# KiCad board C68.kicad_pcb (continued)
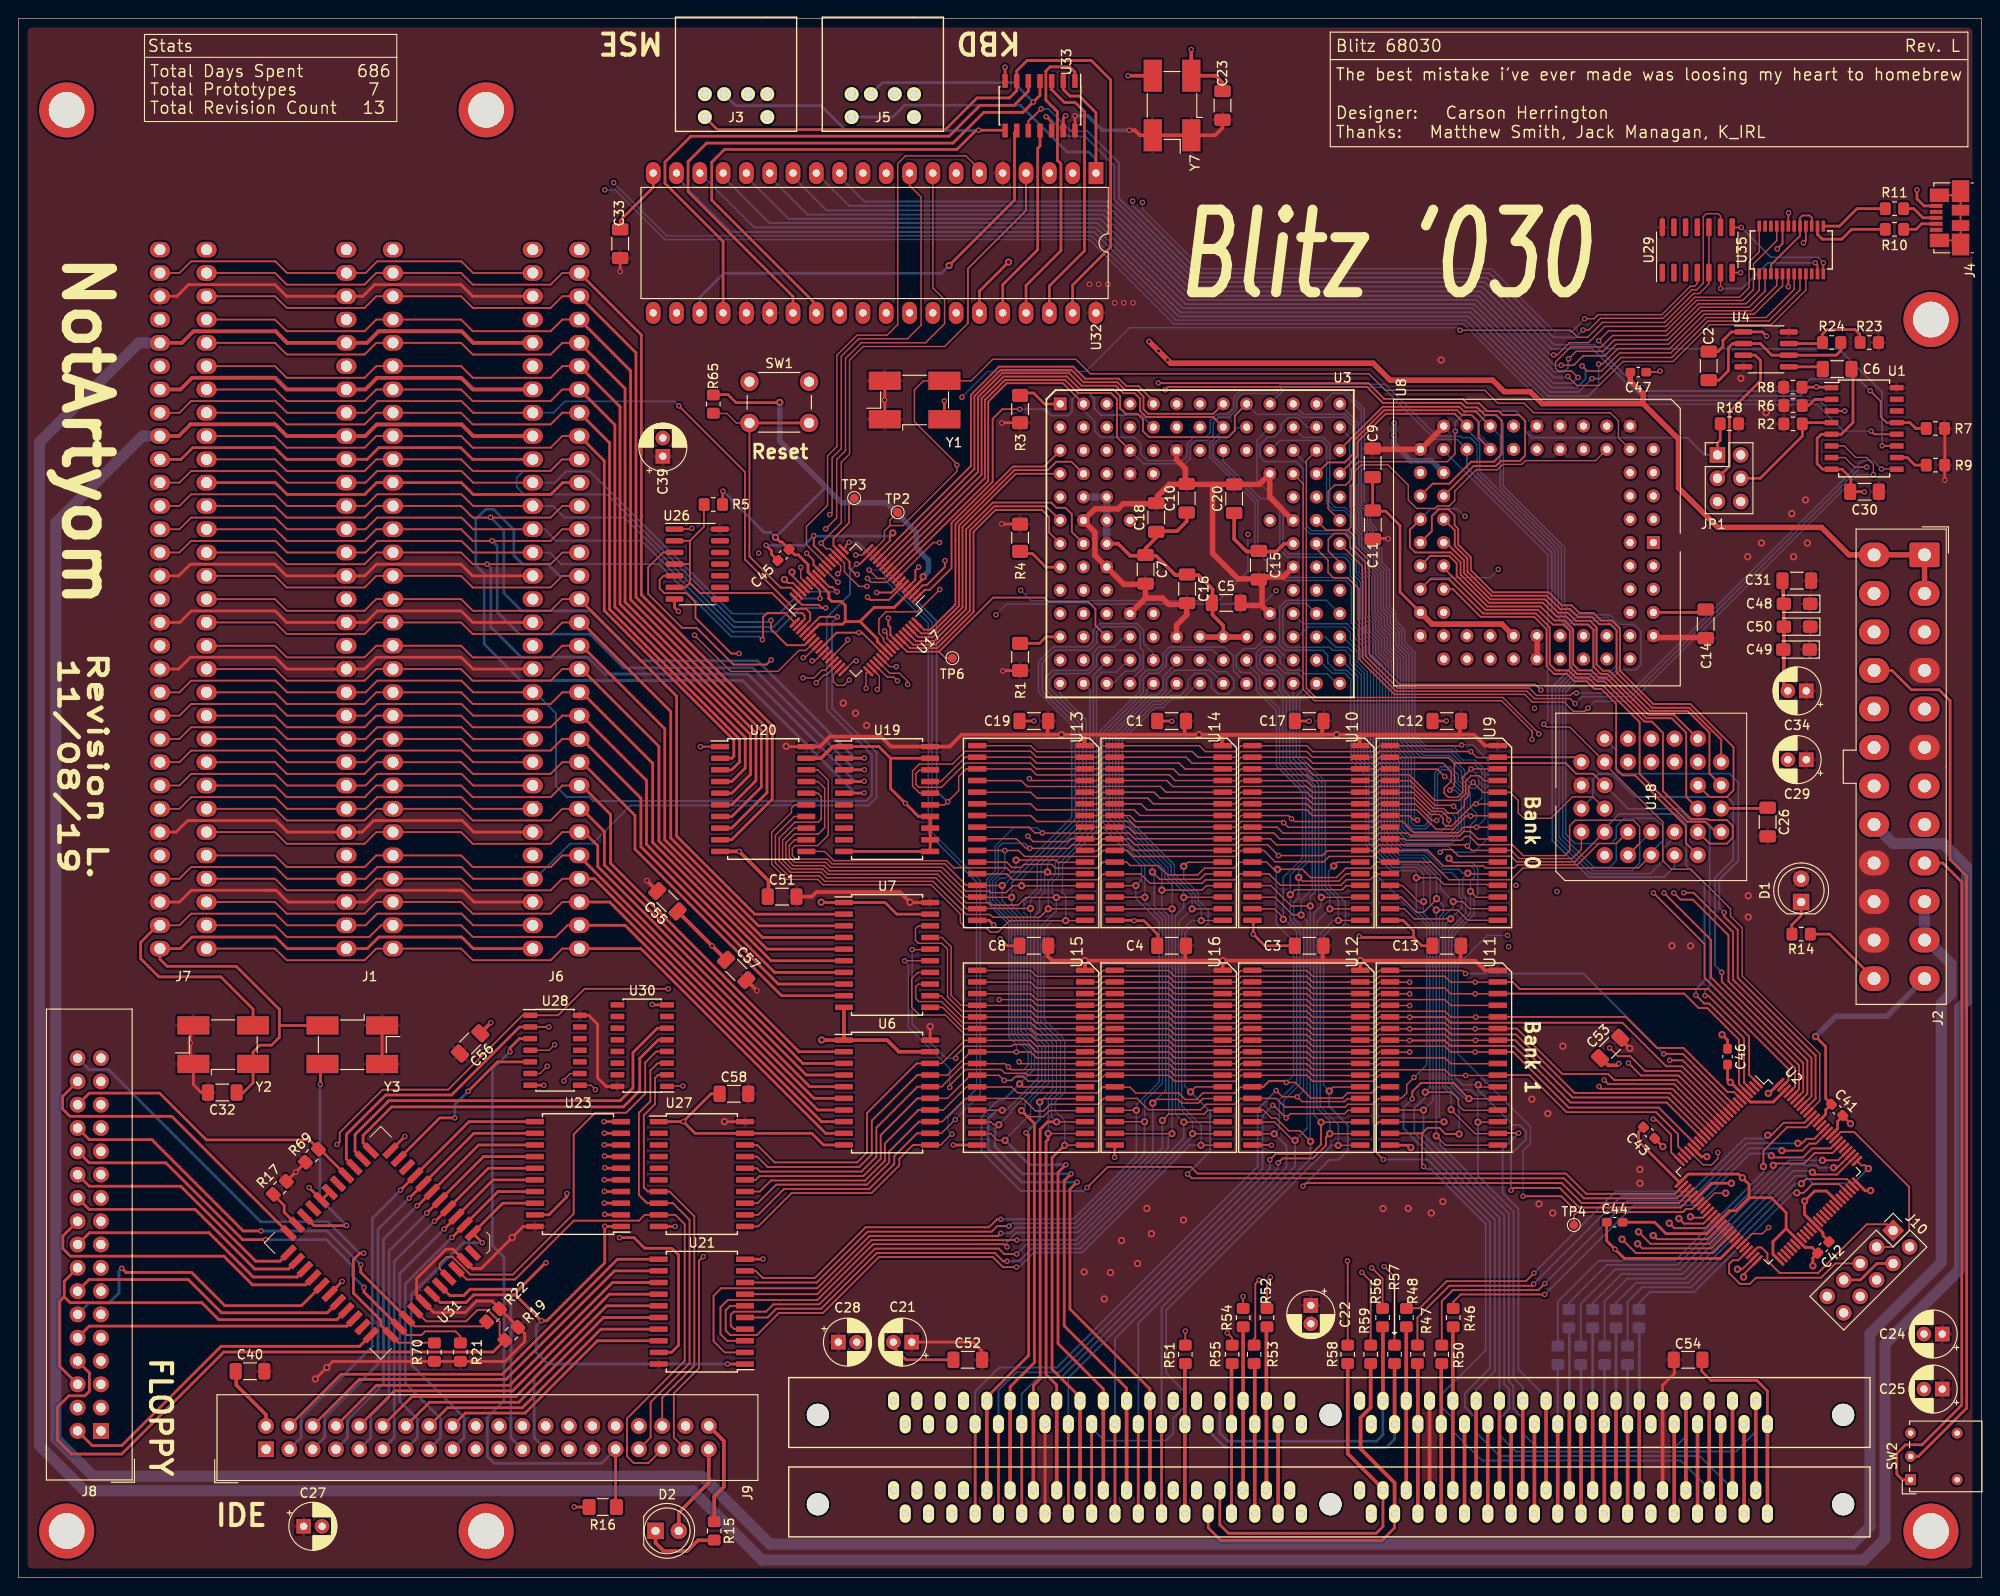
[diagram p0: board, top side]
## Footprints (pads in the part's own frame, mm; a bottom-side part is the same pattern mirrored in y, then rotated) (continued)
PS2
  round 1.524 hole 0.9: 1(-1.3,0) 2(1.3,0) 3(-3.4,0) 4(3.4,0) 5(-3.4,-2.5) 6(3.4,-2.5)
R_0805_2012Metric_Pad1.20x1.40mm_HandSolder
  rrect 1.2x1.4 smd: 1(-1,0) 2(1,0)
R_1206_3216Metric_Pad1.42x1.75mm_HandSolder
  rrect 1.425x1.75 smd: 1(-1.488,0) 2(1.488,0)
SIMM_72
  round 2.41 hole 2.41 unplated: (-55.753,0) (0.127,0) (56.007,0)
  oval 1.2x2 hole 0.762: 1(47.752,-1.016) 2(46.482,1.524) 3(45.212,-1.016) 4(43.942,1.524) 5(42.672,-1.016) 6(41.402,1.524) 7(40.132,-1.016) 8(38.862,1.524) 9(37.592,-1.016) 10(36.322,1.524) 11(35.052,-1.016) 12(33.782,1.524) 13(32.512,-1.016) 14(31.242,1.524) 15(29.972,-1.016) 16(28.702,1.524) 17(27.432,-1.016) 18(26.162,1.524) 19(24.892,-1.016) 20(23.622,1.524) 21(22.352,-1.016) 22(21.082,1.524) 23(19.812,-1.016) 24(18.542,1.524) 25(17.272,-1.016) 26(16.002,1.524) 27(14.732,-1.016) 28(13.462,1.524) 29(12.192,-1.016) 30(10.922,1.524) 31(9.652,-1.016) 32(8.382,1.524) 33(7.112,-1.016) 34(5.842,1.524) 35(4.572,-1.016) 36(3.302,1.524) 37(-3.048,-1.016) 38(-4.318,1.524) 39(-5.588,-1.016) 40(-6.858,1.524) 41(-8.128,-1.016) 42(-9.398,1.524) 43(-10.668,-1.016) 44(-11.938,1.524) 45(-13.208,-1.016) 46(-14.478,1.524) 47(-15.748,-1.016) 48(-17.018,1.524) 49(-18.288,-1.016) 50(-19.558,1.524) 51(-20.828,-1.016) 52(-22.098,1.524) 53(-23.368,-1.016) 54(-24.638,1.524) 55(-25.908,-1.016) 56(-27.178,1.524) 57(-28.448,-1.016) 58(-29.718,1.524) 59(-30.988,-1.016) 60(-32.258,1.524) 61(-33.528,-1.016) 62(-34.798,1.524) 63(-36.068,-1.016) 64(-37.338,1.524) 65(-38.608,-1.016) 66(-39.878,1.524) 67(-41.148,-1.016) 68(-42.418,1.524) 69(-43.688,-1.016) 70(-44.958,1.524) 71(-46.228,-1.016) 72(-47.498,1.524)
SOIC-8_3.9x4.9mm_P1.27mm
  rrect 1.95x0.6 smd: 1(-2.475,1.905) 2(-2.475,0.635) 3(-2.475,-0.635) 4(-2.475,-1.905) 5(2.475,-1.905) 6(2.475,-0.635) 7(2.475,0.635) 8(2.475,1.905)
SOIC-14_3.9x8.7mm_P1.27mm
  rect 1.5x0.6 smd: 1(-2.7,3.81) 2(-2.7,2.54) 3(-2.7,1.27) 4(-2.7,0) 5(-2.7,-1.27) 6(-2.7,-2.54) 7(-2.7,-3.81) 8(2.7,-3.81) 9(2.7,-2.54) 10(2.7,-1.27) 11(2.7,0) 12(2.7,1.27) 13(2.7,2.54) 14(2.7,3.81)
SOIC-14_3.9x8.7mm_P1.27mm#2
  rrect 1.95x0.6 smd: 1(-2.475,3.81) 2(-2.475,2.54) 3(-2.475,1.27) 4(-2.475,0) 5(-2.475,-1.27) 6(-2.475,-2.54) 7(-2.475,-3.81) 8(2.475,-3.81) 9(2.475,-2.54) 10(2.475,-1.27) 11(2.475,0) 12(2.475,1.27) 13(2.475,2.54) 14(2.475,3.81)
SOIC-16_3.9x9.9mm_P1.27mm
  rect 1.5x0.6 smd: 1(-2.7,4.445) 2(-2.7,3.175) 3(-2.7,1.905) 4(-2.7,0.635) 5(-2.7,-0.635) 6(-2.7,-1.905) 7(-2.7,-3.175) 8(-2.7,-4.445) 9(2.7,-4.445) 10(2.7,-3.175) 11(2.7,-1.905) 12(2.7,-0.635) 13(2.7,0.635) 14(2.7,1.905) 15(2.7,3.175) 16(2.7,4.445)
SOIC-16W_5.3x10.2mm_P1.27mm
  rect 1.5x0.6 smd: 1(-3.55,4.445) 2(-3.55,3.175) 3(-3.55,1.905) 4(-3.55,0.635) 5(-3.55,-0.635) 6(-3.55,-1.905) 7(-3.55,-3.175) 8(-3.55,-4.445) 9(3.55,-4.445) 10(3.55,-3.175) 11(3.55,-1.905) 12(3.55,-0.635) 13(3.55,0.635) 14(3.55,1.905) 15(3.55,3.175) 16(3.55,4.445)
SOIC-20W_7.5x12.8mm_P1.27mm
  rect 1.95x0.6 smd: 1(-4.7,5.715) 2(-4.7,4.445) 3(-4.7,3.175) 4(-4.7,1.905) 5(-4.7,0.635) 6(-4.7,-0.635) 7(-4.7,-1.905) 8(-4.7,-3.175) 9(-4.7,-4.445) 10(-4.7,-5.715) 11(4.7,-5.715) 12(4.7,-4.445) 13(4.7,-3.175) 14(4.7,-1.905) 15(4.7,-0.635) 16(4.7,0.635) 17(4.7,1.905) 18(4.7,3.175) 19(4.7,4.445) 20(4.7,5.715)
SOIC-32
  rect 0.6x2 smd: 1(-9.525,-5.88) 2(-8.255,-5.88) 3(-6.985,-5.88) 4(-5.715,-5.88) 5(-4.445,-5.88) 6(-3.175,-5.88) 7(-1.905,-5.88) 8(-0.635,-5.88) 9(0.635,-5.88) 10(1.905,-5.88) 11(3.175,-5.88) 12(4.445,-5.88) 13(5.715,-5.88) 14(6.985,-5.88) 15(8.255,-5.88) 16(9.525,-5.88) 17(9.525,5.88) 18(8.255,5.88) 19(6.985,5.88) 20(5.715,5.88) 21(4.445,5.88) 22(3.175,5.88) 23(1.905,5.88) 24(0.635,5.88) 25(-0.635,5.88) 26(-1.905,5.88) 27(-3.175,5.88) 28(-4.445,5.88) 29(-5.715,5.88) 30(-6.985,5.88) 31(-8.255,5.88) 32(-9.525,5.88)
SSOP-24_3.9x8.7mm_P0.635mm
  rect 1.2x0.4 smd: 1(-2.6,3.493) 2(-2.6,2.857) 3(-2.6,2.223) 4(-2.6,1.587) 5(-2.6,0.953) 6(-2.6,0.318) 7(-2.6,-0.318) 8(-2.6,-0.953) 9(-2.6,-1.587) 10(-2.6,-2.223) 11(-2.6,-2.857) 12(-2.6,-3.493) 13(2.6,-3.493) 14(2.6,-2.857) 15(2.6,-2.223) 16(2.6,-1.587) 17(2.6,-0.953) 18(2.6,-0.318) 19(2.6,0.318) 20(2.6,0.953) 21(2.6,1.587) 22(2.6,2.223) 23(2.6,2.857) 24(2.6,3.493)
SW_Lever_1P2T_NKK_GW12LxH
  round 1.2 hole 0.6: (0,-5.08) (5.08,-5.08) 2(2.54,0) 3(5.08,0)
  rect 1.2x1.2 hole 0.6: 1(0,0)
SW_PUSH_6mm
  round 2 hole 1.1: 1(0,0) 1(6.5,0) 2(0,-4.5) 2(6.5,-4.5)
TestPoint_Pad_D1.0mm
  round 1 smd: 1(0,0)
TQFP-64_10x10mm_P0.5mm
  rrect 1.475x0.3 smd: 1(-5.662,3.75) 2(-5.662,3.25) 3(-5.662,2.75) 4(-5.662,2.25) 5(-5.662,1.75) 6(-5.662,1.25) 7(-5.662,0.75) 8(-5.662,0.25) 9(-5.662,-0.25) 10(-5.662,-0.75) 11(-5.662,-1.25) 12(-5.662,-1.75) 13(-5.662,-2.25) 14(-5.662,-2.75) 15(-5.662,-3.25) 16(-5.662,-3.75) 33(5.662,-3.75) 34(5.662,-3.25) 35(5.662,-2.75) 36(5.662,-2.25) 37(5.662,-1.75) 38(5.662,-1.25) 39(5.662,-0.75) 40(5.662,-0.25) 41(5.662,0.25) 42(5.662,0.75) 43(5.662,1.25) 44(5.662,1.75) 45(5.662,2.25) 46(5.662,2.75) 47(5.662,3.25) 48(5.662,3.75)
  rrect 0.3x1.475 smd: 17(-3.75,-5.662) 18(-3.25,-5.662) 19(-2.75,-5.662) 20(-2.25,-5.662) 21(-1.75,-5.662) 22(-1.25,-5.662) 23(-0.75,-5.662) 24(-0.25,-5.662) 25(0.25,-5.662) 26(0.75,-5.662) 27(1.25,-5.662) 28(1.75,-5.662) 29(2.25,-5.662) 30(2.75,-5.662) 31(3.25,-5.662) 32(3.75,-5.662) 49(3.75,5.662) 50(3.25,5.662) 51(2.75,5.662) 52(2.25,5.662) 53(1.75,5.662) 54(1.25,5.662) 55(0.75,5.662) 56(0.25,5.662) 57(-0.25,5.662) 58(-0.75,5.662) 59(-1.25,5.662) 60(-1.75,5.662) 61(-2.25,5.662) 62(-2.75,5.662) 63(-3.25,5.662) 64(-3.75,5.662)
TQFP-100_14x14mm_P0.5mm
  rrect 1.475x0.3 smd: 1(-7.662,6) 2(-7.662,5.5) 3(-7.662,5) 4(-7.662,4.5) 5(-7.662,4) 6(-7.662,3.5) 7(-7.662,3) 8(-7.662,2.5) 9(-7.662,2) 10(-7.662,1.5) 11(-7.662,1) 12(-7.662,0.5) 13(-7.662,0) 14(-7.662,-0.5) 15(-7.662,-1) 16(-7.662,-1.5) 17(-7.662,-2) 18(-7.662,-2.5) 19(-7.662,-3) 20(-7.662,-3.5) 21(-7.662,-4) 22(-7.662,-4.5) 23(-7.662,-5) 24(-7.662,-5.5) 25(-7.662,-6) 51(7.662,-6) 52(7.662,-5.5) 53(7.662,-5) 54(7.662,-4.5) 55(7.662,-4) 56(7.662,-3.5) 57(7.662,-3) 58(7.662,-2.5) 59(7.662,-2) 60(7.662,-1.5) 61(7.662,-1) 62(7.662,-0.5) 63(7.662,0) 64(7.662,0.5) 65(7.662,1) 66(7.662,1.5) 67(7.662,2) 68(7.662,2.5) 69(7.662,3) 70(7.662,3.5) 71(7.662,4) 72(7.662,4.5) 73(7.662,5) 74(7.662,5.5) 75(7.662,6)
  rrect 0.3x1.475 smd: 26(-6,-7.662) 27(-5.5,-7.662) 28(-5,-7.662) 29(-4.5,-7.662) 30(-4,-7.662) 31(-3.5,-7.662) 32(-3,-7.662) 33(-2.5,-7.662) 34(-2,-7.662) 35(-1.5,-7.662) 36(-1,-7.662) 37(-0.5,-7.662) 38(0,-7.662) 39(0.5,-7.662) 40(1,-7.662) 41(1.5,-7.662) 42(2,-7.662) 43(2.5,-7.662) 44(3,-7.662) 45(3.5,-7.662) 46(4,-7.662) 47(4.5,-7.662) 48(5,-7.662) 49(5.5,-7.662) 50(6,-7.662) 76(6,7.662) 77(5.5,7.662) 78(5,7.662) 79(4.5,7.662) 80(4,7.662) 81(3.5,7.662) 82(3,7.662) 83(2.5,7.662) 84(2,7.662) 85(1.5,7.662) 86(1,7.662) 87(0.5,7.662) 88(0,7.662) 89(-0.5,7.662) 90(-1,7.662) 91(-1.5,7.662) 92(-2,7.662) 93(-2.5,7.662) 94(-3,7.662) 95(-3.5,7.662) 96(-4,7.662) 97(-4.5,7.662) 98(-5,7.662) 99(-5.5,7.662) 100(-6,7.662)
USB_Micro-B_Molex_47346-0001
  rect 0.45x1.38 smd: 1(-1.3,1.46) 2(-0.65,1.46) 3(0,1.46) 4(0.65,1.46) 5(1.3,1.46)
  rect 2.375x1.9 smd: 6(-2.91,-1.2) 6(2.91,-1.2)
  rect 1.475x2.1 smd: 6(-2.462,1.1) 6(2.462,1.1)
  rect 1.175x1.9 smd: 6(-0.84,-1.2) 6(0.84,-1.2)

## Nets
+3V3: C41.2 C42.2 C43.2 C44.2 C45.2 C46.2 C47.2 J2.1 J2.2 J2.12 J2.13 J10.4 J10.7 R5.1 R65.1 U2.5 U2.26 U2.38 U2.51 U2.57 U2.88 U2.98 U17.3 U17.26 U17.37 U17.55
+5V: C1.2 C3.2 C4.2 C5.2 C7.2 C8.2 C9.2 C10.2 C11.2 C12.2 C13.2 C14.2 C15.2 C16.2 C17.2 C18.2 C19.2 C20.2 C21.1 C22.1 C23.2 C24.1 C25.1 C26.2 C27.1 C28.1 C29.1 C30.2 C31.2 C32.2 C33.2 C34.1 C39.1 C40.2 C48.1 C49.1 C50.1 C51.2 C52.2 C53.2 C54.2 C55.2 C56.2 C57.2 C58.2 D1.2 J1.B3 J1.B15 J1.B17 J1.B19 J1.B26 J1.B29 J2.4 J2.6 J2.21 J2.22 J2.23 J3.4 J5.4 J6.B3 J6.B15 J6.B17 J6.B19 J6.B26 J6.B29 J7.B3 J7.B15 J7.B17 J7.B19 J7.B26 J7.B29 J9.29 R1.1 R2.1 R3.1 R4.1 R6.1 R7.1 R8.1 R9.1 R17.2 R18.1 R19.2 R21.2 R22.2 R23.2 R69.2 R70.2 U1.16 U3.C6 U3.D4 U3.D10 U3.F2 U3.F11 U3.H3 U3.H11 U3.K4 U3.K10 U3.L6 U4.4 U4.8 U5.10 U5.30 U5.59 U6.20 U7.20 U8.10 U8.16 U8.17 U8.18 U8.26 U8.27 U8.43 U8.52 U8.53 U8.61 U9.32 U10.32 U11.32 U12.32 U13.32 U14.32 U15.32 U16.32 U18.32 U19.20 U20.20 U21.20 U23.20 U24.10 U24.30 U24.59 U26.14 U27.20 U28.14 U29.14 U30.16 U31.5 U31.44 U32.5 U32.25 U32.26 U32.40 U33.14 U35.18 Y1.1 Y1.4 Y2.1 Y2.4 Y3.1 Y3.4 Y7.1 Y7.4
+12V: J1.B9 J2.10 J2.11 J6.B9 J7.B9
-5V: J1.B5 J2.20 J6.B5 J7.B5
-12V: J1.B7 J2.14 J6.B7 J7.B7
GND: C1.1 C2.1 C3.1 C4.1 C5.1 C6.1 C7.1 C8.1 C9.1 C10.1 C11.1 C12.1 C13.1 C14.1 C15.1 C16.1 C17.1 C18.1 C19.1 C20.1 C21.2 C22.2 C23.1 C24.2 C25.2 C26.1 C27.2 C28.2 C29.2 C30.1 C31.1 C32.1 C33.1 C34.2 C39.2 C40.1 C41.1 C42.1 C43.1 C44.1 C45.1 C46.1 C47.1 C48.2 C49.2 C50.2 C51.1 C52.1 C53.1 C54.1 C55.1 C56.1 C57.1 C58.1 H1.1 H2.1 H3.1 H4.1 H5.1 H6.1 J1.A11 J1.B1 J1.B10 J1.B31 J2.3 J2.5 J2.7 J2.15 J2.17 J2.18 J2.19 J2.24 J3.3 J4.5 J5.3 J6.A11 J6.B1 J6.B10 J6.B31 J7.A11 J7.B1 J7.B10 J7.B31 J8.1 J8.3 J8.5 J8.7 J8.9 J8.11 J8.13 J8.15 J8.17 J8.19 J8.21 J8.23 J8.25 J8.27 J8.29 J8.31 J8.33 J9.2 J9.19 J9.22 J9.24 J9.26 J9.30 J9.40 J10.2 J10.10 JP1.2 JP1.5 JP1.6 R14.1 R15.1 R16.1 SW1.1 SW2.3 U1.5 U1.8 U2.21 U2.31 U2.44 U2.62 U2.69 U2.75 U2.84 U2.100 U3.C5 U3.C7 U3.C9 U3.E2 U3.E3 U3.E11 U3.F3 U3.G3 U3.G11 U3.J3 U3.J11 U3.L5 U3.L7 U3.L8 U3.L9 U4.1 U5.1 U5.39 U5.72 U6.1 U6.10 U6.19 U7.1 U7.10 U7.19 U8.5 U8.6 U8.7 U8.8 U8.9 U8.12 U8.14 U8.19 U8.30 U8.41 U8.51 U8.63 U9.16 U10.16 U11.16 U12.16 U13.16 U14.16 U15.16 U16.16 U17.14 U17.21 U17.41 U17.54 U18.16 U19.1 U19.10 U19.11 U19.12 U19.13 U19.14 U19.19 U20.10 U20.19 U21.10 U23.10 U24.1 U24.39 U24.72 U26.7 U27.1 U27.10 U27.19 U28.7 U29.7 U30.8 U31.17 U31.23 U31.24 U31.34 U32.7 U32.20 U33.7 U35.6 U35.19 Y1.2 Y2.2 Y3.2 Y7.2
100Hz: JP1.3 U4.3
!READ: J9.25 U18.24 U21.1 U23.1 U28.8 U29.4 U31.1 U32.8
/A0: U3.A2 U6.11 U17.8 U18.12 U27.11 U32.9
/A1: U3.C4 U6.12 U8.25 U17.9 U18.11 U27.12
/A2: U2.93 U3.D13 U6.13 U8.24 U9.12 U10.12 U11.12 U12.12 U13.12 U14.12 U15.12 U16.12 U18.10 U27.13
/A3: U2.94 U3.D12 U6.14 U8.23 U9.11 U10.11 U11.11 U12.11 U13.11 U14.11 U15.11 U16.11 U18.9 U27.14
/A4: U2.96 U3.C13 U6.15 U8.22 U9.10 U10.10 U11.10 U12.10 U13.10 U14.10 U15.10 U16.10 U18.8 U27.15
/A5: U2.97 U3.C12 U6.16 U9.9 U10.9 U11.9 U12.9 U13.9 U14.9 U15.9 U16.9 U18.7 U27.16
/A6: U2.3 U3.D11 U6.17 U9.8 U10.8 U11.8 U12.8 U13.8 U14.8 U15.8 U16.8 U18.6 U27.17
/A7: U2.18 U3.B13 U6.18 U9.7 U10.7 U11.7 U12.7 U13.7 U14.7 U15.7 U16.7 U18.5 U27.18
/A8: U2.16 U3.B12 U7.11 U9.6 U10.6 U11.6 U12.6 U13.6 U14.6 U15.6 U16.6 U18.27
/A9: U2.10 U3.C11 U7.12 U9.5 U10.5 U11.5 U12.5 U13.5 U14.5 U15.5 U16.5 U18.26
/A10: U2.13 U3.A13 U7.13 U9.27 U10.27 U11.27 U12.27 U13.27 U14.27 U15.27 U16.27 U18.23
/A11: U2.17 U3.C10 U7.14 U9.26 U10.26 U11.26 U12.26 U13.26 U14.26 U15.26 U16.26 U18.25
/A12: U2.23 U3.B11 U7.15 U9.23 U10.23 U11.23 U12.23 U13.23 U14.23 U15.23 U16.23 U18.4
/A13: U2.20 U3.A12 U7.16 U9.25 U10.25 U11.25 U12.25 U13.25 U14.25 U15.25 U16.25 U18.28
/A14: U2.92 U3.B10 U7.17 U9.4 U10.4 U11.4 U12.4 U13.4 U14.4 U15.4 U16.4 U18.29
/A15: U2.6 U3.A11 U7.18 U9.28 U10.28 U11.28 U12.28 U13.28 U14.28 U15.28 U16.28 U18.3
/A16: U2.95 U3.B9 U9.3 U10.3 U11.3 U12.3 U13.3 U14.3 U15.3 U16.3 U17.17 U18.2 U19.15
/A17: U2.99 U3.A10 U9.31 U10.31 U11.31 U12.31 U13.31 U14.31 U15.31 U16.31 U18.30 U19.16
/A18: U2.1 U3.C8 U9.2 U10.2 U11.2 U12.2 U13.2 U14.2 U15.2 U16.2 U18.1 U19.17
/A19: U2.4 U3.A9 U9.30 U10.30 U11.30 U12.30 U13.30 U14.30 U15.30 U16.30 U17.10 U19.18
/A20: U2.8 U3.B8 U9.1 U10.1 U11.1 U12.1 U13.1 U14.1 U15.1 U16.1 U17.11
/A21: U2.9 U3.A8 U17.12
/A22: U2.11 U3.B7
/A23: U2.12 U3.A7
/A24: U2.14 U3.A6
/A25: U2.15 U3.B6
/A26: U3.A5 U17.13
/A27: U3.B5 U17.1
/A28: U3.A4
/A29: U3.B4
/A30: U3.A3
/A31: U3.B3
/CAS0: R52.1 U5.40 U24.40
/CAS1: R53.1 U5.41 U24.41
/CAS2: R54.1 U5.42 U24.42
/CAS3: R55.1 U5.43 U24.43
/D0: U3.K13 U5.2 U8.3 U9.13 U11.13 U24.2
/D1: U3.K12 U5.4 U8.2 U9.14 U11.14 U24.4
/D2: U3.L13 U5.6 U8.1 U9.15 U11.15 U24.6
/D3: U3.M13 U5.8 U8.68 U9.17 U11.17 U24.8
/D4: U3.L12 U5.20 U8.67 U9.18 U11.18 U24.20
/D5: U3.K11 U5.22 U8.66 U9.19 U11.19 U24.22
/D6: U3.M12 U5.24 U8.65 U9.20 U11.20 U24.24
/D7: U3.L11 U5.26 U8.64 U9.21 U11.21 U24.26
/D8: U3.N13 U5.49 U8.62 U10.13 U12.13 U24.49
/D9: U3.M11 U5.51 U8.60 U10.14 U12.14 U24.51
/D10: U3.L10 U5.53 U8.59 U10.15 U12.15 U24.53
/D11: U3.N12 U5.55 U8.58 U10.17 U12.17 U24.55
/D12: U3.M10 U5.57 U8.57 U10.18 U12.18 U24.57
/D13: U3.N11 U5.61 U8.56 U10.19 U12.19 U24.61
/D14: U3.M9 U5.63 U8.55 U10.20 U12.20 U24.63
/D15: U3.N10 U5.65 U8.54 U10.21 U12.21 U24.65
/D16: U3.N9 U5.3 U8.50 U14.13 U16.13 U21.9 U24.3
/D17: U3.M8 U5.5 U8.49 U14.14 U16.14 U21.8 U24.5
/D18: U3.N8 U5.7 U8.48 U14.15 U16.15 U21.7 U24.7
/D19: U3.N7 U5.9 U8.47 U14.17 U16.17 U21.6 U24.9
/D20: U3.M7 U5.21 U8.46 U14.18 U16.18 U21.5 U24.21
/D21: U3.N6 U5.23 U8.45 U14.19 U16.19 U21.4 U24.23
/D22: U3.M6 U5.25 U8.44 U14.20 U16.20 U21.3 U24.25
/D23: U3.N5 U5.27 U8.42 U14.21 U16.21 U21.2 U24.27
/D24: U3.M5 U5.50 U8.40 U13.13 U15.13 U18.13 U20.18 U23.2 U24.50 U32.12 U35.24
/D25: U3.N4 U5.52 U8.39 U13.14 U15.14 U18.14 U20.17 U23.3 U24.52 U32.13 U35.4
/D26: U3.N3 U5.54 U8.38 U13.15 U15.15 U18.15 U20.16 U23.4 U24.54 U32.14 U35.2
/D27: U3.M4 U5.56 U8.37 U13.17 U15.17 U18.17 U20.15 U23.5 U24.56 U32.15 U35.9
/D28: U3.N2 U5.58 U8.36 U13.18 U15.18 U18.18 U20.14 U23.6 U24.58 U32.16 U35.1
/D29: U3.M3 U5.60 U8.35 U13.19 U15.19 U18.19 U20.13 U23.7 U24.60 U32.17 U35.7
/D30: U3.L4 U5.62 U8.34 U13.20 U15.20 U18.20 U20.12 U23.8 U24.62 U32.18 U35.8
/D31: U3.N1 U5.64 U8.33 U13.21 U15.21 U18.21 U20.11 U23.9 U24.64 U32.19 U35.5
/IA0: J1.A31 J6.A31 J7.A31 U6.9
/IA1: J1.A30 J6.A30 J7.A30 U6.8
/IA2: J1.A29 J6.A29 J7.A29 U6.7
/IA3: J1.A28 J6.A28 J7.A28 U6.6
/IA4: J1.A27 J6.A27 J7.A27 U6.5
/IA5: J1.A26 J6.A26 J7.A26 U6.4
/IA6: J1.A25 J6.A25 J7.A25 U6.3
/IA7: J1.A24 J6.A24 J7.A24 U6.2
/IA8: J1.A23 J6.A23 J7.A23 U7.9
/IA9: J1.A22 J6.A22 J7.A22 U7.8
/IA10: J1.A21 J6.A21 J7.A21 U7.7
/IA11: J1.A20 J6.A20 J7.A20 U7.6
/IA12: J1.A19 J6.A19 J7.A19 U7.5
/IA13: J1.A18 J6.A18 J7.A18 U7.4
/IA14: J1.A17 J6.A17 J7.A17 U7.3
/IA15: J1.A16 J6.A16 J7.A16 U7.2
/IA16: J1.A15 J6.A15 J7.A15 U19.5
/IA17: J1.A14 J6.A14 J7.A14 U19.4
/IA18: J1.A13 J6.A13 J7.A13 U19.3
/IA19: J1.A12 J6.A12 J7.A12 U19.2
/ID0: J1.A9 J6.A9 J7.A9 U20.2
/ID1: J1.A8 J6.A8 J7.A8 U20.3
/ID2: J1.A7 J6.A7 J7.A7 U20.4
/ID3: J1.A6 J6.A6 J7.A6 U20.5
/ID4: J1.A5 J6.A5 J7.A5 U20.6
/ID5: J1.A4 J6.A4 J7.A4 U20.7
/ID6: J1.A3 J6.A3 J7.A3 U20.8
/ID7: J1.A2 J6.A2 J7.A2 U20.9
/IOA0: J9.35 U27.9 U31.4
/IOA1: J9.33 U27.8 U30.3
/IOA2: J9.36 U27.7 U30.2
/IOA3: U27.6
/IOA4: U27.5
/IOA5: U27.4
/IOA6: U27.3
/IOA7: U27.2
/IOD16: J9.4 U21.11
/IOD17: J9.6 U21.12
/IOD18: J9.8 U21.13
/IOD19: J9.10 U21.14
/IOD20: J9.12 U21.15
/IOD21: J9.14 U21.16
/IOD22: J9.16 U21.17
/IOD23: J9.18 U21.18
/IOD24: J9.17 U23.18 U31.7
/IOD25: J9.15 U23.17 U31.8
/IOD26: J9.13 U23.16 U31.9
/IOD27: J9.11 U23.15 U31.10
/IOD28: J9.9 U23.14 U31.11
/IOD29: J9.7 U23.13 U31.12
/IOD30: J9.5 U23.12 U31.13
/IOD31: J9.3 U23.11 U31.14
/QA0: R12.1 U5.12 U24.12
/QA1: R13.1 U5.13 U24.13
/QA2: R40.1 U5.14 U24.14
/QA3: R42.1 U5.15 U24.15
/QA4: R43.1 U5.16 U24.16
/QA5: R44.1 U5.17 U24.17
/QA6: R45.1 U5.18 U24.18
/QA7: R46.1 U5.28 U24.28
/QA8: R47.1 U5.31 U24.31
/QA9: R48.1 U5.32 U24.32
/QA10: R49.1 U5.19 U24.19
/QA11: R50.1 U5.29 U24.29
/RAS0: R56.1 U5.34 U5.44
/RAS1: R57.1 U5.33 U5.45
/RAS2: R58.1 U24.34 U24.44
/RAS3: R59.1 U24.33 U24.45
_RW0: U9.24 U10.24 U13.24 U14.24 U17.47
_RW1: U11.24 U12.24 U15.24 U16.24 U17.45
AS: U3.J2 U8.21 U17.2
BYTE0: U2.30 U9.22 U11.22 U17.52
BYTE1: U2.29 U10.22 U12.22 U17.51
BYTE2: U2.28 U14.22 U16.22 U17.50
BYTE3: U2.27 U13.22 U15.22 U17.49
CDIS: U3.H12 U17.23
CLK: J1.B20 J6.B20 J7.B20 TP2.1 U2.22 U3.E1 U8.11 U17.15 Y1.3
DRAM_CS: TP4.1 U2.32 U17.42
DRW: R51.1 U5.47 U24.47
DS: U3.K2 U8.20 U17.4
DSACK0: U3.F1 U8.31 U17.60
DSACK1: U3.G2 U8.32 U17.61
DTACK_BUS: R5.2 U17.34 U26.2 U26.4 U26.6
ECS: TP3.1 U3.M2 U17.18
FC0: U3.D2 U17.63
FC1: U3.C1 U17.64
FC2: U3.D1 U17.62
FLOPPY: U17.20 U30.1
FPU: U8.29 U17.57
FTDI_CS: U17.56 U29.5 U29.10
HALT: U3.H2 U17.16
I_DIR: U17.24 U20.1
IDE0: J9.37 U17.7
IDE1: J9.38 U17.40
IO_CS: U17.39 U21.19 U23.19
IPL0: U1.9 U3.H13
IPL1: U1.7 U3.G13
IPL2: U1.6 U3.G12
IRQ_FLOPPY: U1.3 U28.6
IRQ_FTDI: U1.11 U35.21
IRQ_IDE: U1.12 U28.4
IRQ_KBD: R8.2 U1.1 U33.12
IRQ_MSE: R7.2 U1.13 U33.10
IRQ_SYS: JP1.4 R2.2 U1.4
ISA_IRQ0: J1.B25 J6.B25 J7.B25
ISA_IRQ1: J1.B24 J6.B24 J7.B24
ISA_IRQ2: J1.B23 J6.B23 J7.B23
ISA_IRQ3: J1.B22 J6.B22 J7.B22
ISA_IRQ4: J1.B21 J6.B21 J7.B21
KBD_CS: U17.22 U32.6
MMUDIS: JP1.1 R18.2 U3.F13
RESET: J9.1 U2.33 U3.F12 U8.13 U17.19 U28.1 U32.4 U35.16
RESET_N: J1.B2 J6.B2 J7.B2 U28.2 U31.20
ROM: U17.44 U18.22
RW0: U9.29 U10.29 U13.29 U14.29 U17.48
RW1: U11.29 U12.29 U15.29 U16.29 U17.46
RW_N: J9.23 TP6.1 U2.91 U3.L3 U8.28 U17.58 U18.31 U28.9 U29.9 U31.2 U32.10
SIZ0: U3.L2 U17.5
SIZ1: U3.K3 U17.6
STERM: U3.G1 U17.59
TCK: J10.1 U2.48 U17.30
TDO1: U2.45 U17.53
TDO2: J10.3 U2.83
TMS: J10.5 U2.47 U17.29
Net-(C2-Pad2): C2.2 R24.1 U4.2 U4.6
Net-(C6-Pad2): C6.2 U4.5
Net-(D1-Pad1): D1.1 R14.2
Net-(D2-Pad1): D2.1 R15.2
Net-(D2-Pad2): D2.2 J9.39
Net-(J1-PadA10): J1.A10 J6.A10 J7.A10 U17.38
Net-(J1-PadB8): J1.B8 J6.B8 J7.B8 U17.35
Net-(J1-PadB11): J1.B11 J6.B11 J7.B11 U17.25
Net-(J1-PadB12): J1.B12 J6.B12 J7.B12 U17.27
Net-(J1-PadB13): J1.B13 J6.B13 J7.B13 U17.32
Net-(J1-PadB14): J1.B14 J6.B14 J7.B14 U17.33
Net-(J1-PadB28): J1.B28 J6.B28 J7.B28 U17.36
Net-(J1-PadB30): J1.B30 J6.B30 J7.B30 Y2.3
Net-(J2-Pad9): J2.9 SW2.1
Net-(J2-Pad16): J2.16 SW2.2
Net-(J3-Pad1): J3.1 U32.28 U33.8
Net-(J3-Pad5): J3.5 U32.39 U33.6
Net-(J4-Pad2): J4.2 R10.2
Net-(J4-Pad3): J4.3 R11.2
Net-(J5-Pad1): J5.1 U32.27 U33.4
Net-(J5-Pad5): J5.5 U32.1 U33.2
Net-(J8-Pad2): J8.2 U31.39
Net-(J8-Pad8): J8.8 R19.1 U31.43
Net-(J8-Pad10): J8.10 U31.37
Net-(J8-Pad12): J8.12 U31.33
Net-(J8-Pad14): J8.14 U31.35
Net-(J8-Pad16): J8.6 J8.16 U31.36
Net-(J8-Pad18): J8.18 U31.31
Net-(J8-Pad20): J8.20 U31.32
Net-(J8-Pad22): J8.22 U31.30
Net-(J8-Pad24): J8.24 U31.29
Net-(J8-Pad26): J8.26 R21.1 U31.41
Net-(J8-Pad28): J8.28 R22.1 U31.42
Net-(J8-Pad30): J8.30 R69.1 U31.21
Net-(J8-Pad32): J8.32 U31.28
Net-(J8-Pad34): J8.34 R70.1 U31.40
Net-(J9-Pad27): J9.27 U26.5
Net-(J9-Pad31): J9.31 R16.2 U28.3
Net-(J10-Pad9): J10.9 U17.28
Net-(R1-Pad2): R1.2 U3.L1
Net-(R3-Pad2): R3.2 U3.A1
Net-(R4-Pad2): R4.2 U3.H1
Net-(R6-Pad2): R6.2 U1.2
Net-(R9-Pad2): R9.2 U1.10
Net-(R10-Pad1): R10.1 U35.14
Net-(R11-Pad1): R11.1 U35.13
Net-(R12-Pad2): R12.2 U2.72
Net-(R13-Pad2): R13.2 U2.74
Net-(R17-Pad1): R17.1 U31.27
Net-(R23-Pad1): R23.1 R24.2 U4.7
Net-(R40-Pad2): R40.2 U2.76
Net-(R42-Pad2): R42.2 U2.77
Net-(R43-Pad2): R43.2 U2.78
Net-(R44-Pad2): R44.2 U2.79
Net-(R45-Pad2): R45.2 U2.81
Net-(R46-Pad2): R46.2 U2.82
Net-(R47-Pad2): R47.2 U2.86
Net-(R48-Pad2): R48.2 U2.90
Net-(R49-Pad2): R49.2 U2.89
Net-(R50-Pad2): R50.2 U2.85
Net-(R51-Pad2): R51.2 U2.35
Net-(R52-Pad2): R52.2 U2.40
Net-(R53-Pad2): R53.2 U2.39
Net-(R54-Pad2): R54.2 U2.37
Net-(R55-Pad2): R55.2 U2.36
Net-(R56-Pad2): R56.2 U2.49
Net-(R57-Pad2): R57.2 U2.50
Net-(R58-Pad2): R58.2 U2.41
Net-(R59-Pad2): R59.2 U2.42
Net-(R65-Pad2): R65.2 SW1.2 U17.31
Net-(U2-Pad25): U2.25 U26.3
Net-(U26-Pad1): U26.1 U35.20
Net-(U28-Pad5): U28.5 U31.16
Net-(U29-Pad6): U29.6 U35.11
Net-(U29-Pad8): U29.8 U35.12
Net-(U30-Pad4): U30.4 U31.3
Net-(U30-Pad5): U30.5 U31.18
Net-(U30-Pad6): U30.6 U31.19
Net-(U31-Pad26): U31.26 Y3.3
Net-(U32-Pad3): U32.3 Y7.3
Net-(U32-Pad23): U32.23 U33.9
Net-(U32-Pad24): U32.24 U33.5
Net-(U32-Pad35): U32.35 U33.13
Net-(U32-Pad36): U32.36 U33.11
Net-(U32-Pad37): U32.37 U33.1
Net-(U32-Pad38): U32.38 U33.3
Net-(U35-Pad15): U35.3 U35.15 U35.17

Pads without a net: J1 A1 B4 B6 B16 B18 B27; J2 8; J3 2 6; J4 1 4 6; J5 2 6; J6 A1 B4 B6 B16 B18 B27; J7 A1 B4 B6 B16 B18 B27; J8 4; J9 20 21 28 32 34; J10 6 8; U1 14 15; U2 2 7 19 24 34 43 46 52 53 54 55 56 58 59 60 61 63 64 65 66 67 68 70 71 73 80 87; U3 B1 B2 C2 C3 D3 D5 E12 E13 F4 F10 J1 J12 J13 K1 K5 M1; U5 11 35 36 37 38 46 48 66 67 68 69 70 71; U8 4 15; U17 43; U19 6 7 8 9; U24 11 35 36 37 38 46 48 66 67 68 69 70 71; U26 8 9 10 11 12 13; U28 10 11 12 13; U29 1 2 3 11 12 13; U30 7 9 10 11 12 13 14 15; U31 6 15 22 25 38; U32 2 11 21 22 29 30 31 32 33 34; U35 10 22 23

## Via types
v1: diameter 0.8, hole 0.4, Top to Bottom, 165 vias
v2: diameter 0.6, hole 0.35, Top to Bottom, 333 vias

## Routing (per net, layer and track width the routed paths; a pad name or vN(x,y) marks a point on that pad's centre or on a via; arc(x,y) is an arc through that point)
+3V3: length 402.8
  Top w0.3: 90.13,104.24 90.13,106 89.7,106.43 88.66,106.43 88.34,106.75 88.34,107.36 U17.26 86.08,109.62 86.08,110.45 85.01,111.51 84.62,111.51 83.22,112.92 83.03,112.92 v1(82.53,113.42) ; 90.13,104.24 89.84,103.95 87.3,103.95 86.06,102.71 U17.37 ; 90.13,104.24 91.74,104.24 ; 186.3,55.93 186.3,54.3 v1(186.6,54) 186.65,54 188.15,52.5 U2.5 188.81,51.85 191.28,51.85 U2.98 ; v1(195.9,59) 197,57.9 197,52.25 197.63,51.62 197,50.99 197,50.5 U2.88 ; J10.7 200.79,32.46 202.58,34.26 J10.4 ; 192.69,38.07 192.69,39.81 191.07,41.43 188.65,41.43 ; 192.69,38.07 U2.57 194.76,36 195.51,36 196.13,35.38 195.6,34.85 v1(195.6,34) ; 192.69,38.07 191.25,36.62 191.25,35.26 U2.51 ; 75.75,128.97 77.35,128.97 78.23,128.1 82.96,128.1 v1(82.99,128.13) ; 188.65,41.43 187.23,40.01 186.51,40.01 U2.38 184,37.5 179.6,37.5 178.35,38.75 174.88,38.75 ; 188.65,41.43 188.65,42.88 v1(187.93,43.6) 187.52,44 182.01,44 U2.26 176.6,47.56 176.6,48.59 177.13,49.12 ; U17.55 93.62,102.08 93.62,102.35 91.74,104.23 91.74,104.24 ; 91.74,104.24 93.28,105.78 95.47,105.78 U17.3 98.62,108.93 v1(98.62,109.12) ; v2(76.8,118.45) 76.78,118.42 76.78,117
  Top w0.6: v2(123.25,134.78) v2(124.29,133.74) v2(125.26,132.76) 125.62,132.4 147.68,132.4 149.53,130.55 160.7,130.55 161.95,129.3 164.8,129.3 166.1,128 177.1,128 ; 177.1,128 180.95,124.15 180.95,118.8 185.25,114.5 196.55,114.5 199.54,111.51 J2.13 J2.1 J2.2 ; 177.1,128 177.1,129.05 175.69,130.45 175.69,131.43
  In1.Cu w0.6: v2(125.26,132.76) v2(123.25,134.78) 86.97,134.78 82.99,130.8 v1(82.99,128.13)
  In2.Cu w0.3: v1(195.6,34) 196.12,33.47 197.95,33.47 J10.7
  In2.Cu w0.4: v1(195.9,59) 191.6,59 v1(186.6,54) 186.6,47.55 187.6,46.55 187.6,43.93 v1(187.93,43.6)
  In2.Cu w0.8: J2.2 208.07,107.31 211.21,104.17 211.21,68.44 208.07,65.31 J2.12
  Bottom w0.3: 88.01,118.91 v1(82.53,113.42) 82,113.95 81.3,113.95 v2(76.8,118.45)
  Bottom w0.6: v1(195.9,59) 198.1,61.2 203.67,61.2 J2.12 ; v1(98.62,109.12) 99.2,109.7 99.2,110.94 97.89,112.25 97.89,113.94 94.65,117.17 89.75,117.17 82.99,123.94 v1(82.99,128.13)
+5V: length 791.6
  Top w0.3: 65.6,143.94 v2(65.6,142.4) ; J1.B29 37.85,73.66 39.13,74.94 47.03,74.94 ; J1.B17 37.88,104.14 39.13,105.39 48.28,105.39 49.53,104.14 J6.B17 ; J1.B15 37.76,109.22 39.03,110.49 48.23,110.49 49.5,109.22 J6.B15 ; J6.B29 49.66,73.66 48.38,74.94 47.03,74.94 ; 47.03,74.94 48.28,74.94 ; J1.B26 37.47,81.28 38.73,82.54 39.53,82.54 ; 39.53,82.54 48.38,82.54 49.64,81.28 J6.B26 ; 39.53,82.54 39.03,82.54 ; J6.B19 49.56,99.06 48.28,100.34 39.03,100.34 37.75,99.06 J1.B19 ; J1.B3 37.56,139.7 38.83,140.97 48.25,140.97 49.52,139.7 J6.B3 ; U20.20 83.72,90.61 v1(83.69,90.64) ; 20.71,52.94 19.89,52.94 19.08,53.75 Y2.1 ; 18.74,60.36 v2(18.74,58.29) 18.74,56.16 ; R4.1 107.22,114.86 v2(107.19,114.89) ; U6.20 v1(99.39,60.09) ; v2(107.31,98.86) 107.34,98.89 R1.1 ; v1(97.19,73.64) 97.22,73.6 U7.20 ; v2(149.3,113.26) 149.26,113.3 147.64,113.3 ; Y1.1 94.44,128.36 v2(94.42,128.38) 94.44,128.4 Y1.4 ; R3.1 107.22,125.92 v2(107.19,125.89) ; 19.25,82.54 18.45,82.54 17.19,81.28 15.47,81.28 ; 19.25,82.54 18.75,82.54 ; 19.25,82.54 28.1,82.54 29.36,81.28 35.79,81.28 ; 26.75,74.94 18.85,74.94 17.57,73.66 15.47,73.66 ; 26.75,74.94 28.1,74.94 29.38,73.66 35.79,73.66 ; 26.75,74.94 28,74.94 ; 35.79,99.06 29.28,99.06 28,100.34 18.75,100.34 17.47,99.06 15.47,99.06 ; 35.79,139.7 29.24,139.7 27.97,140.97 18.55,140.97 17.28,139.7 15.47,139.7 ; 35.79,109.22 29.22,109.22 27.95,110.49 18.75,110.49 17.48,109.22 15.47,109.22 ; 35.79,104.14 29.25,104.14 28,105.39 18.85,105.39 17.6,104.14 15.47,104.14 ; 111.91,6.73 U5.59 ; U5.10 179.22,20.97 180.51,22.26 180.51,23.75 ; v1(32.37,21.66) v1(33.62,22.91) 34.27,23.56 53.04,23.56 55.2,25.72 55.2,26.6 51.65,30.15 49.94,30.15 48.69,28.9 45.3,28.9 U31.44 43.41,30.79 43.41,32.61 46.61,35.81 47.37,35.81 U31.5 49.48,33.7 50.44,33.7 v1(53.81,37.07) 55.03,38.28 U23.20 ; 31.28,45.28 v2(30.24,44.24) 29.22,43.22 ; v1(76.96,49.72) 76.97,49.72 U27.20 ; 209.96,119.66 v2(209.98,119.65) 209.98,121.27 210,121.29 210,123.28 209.99,123.29 209.99,125.28 209.99,125.29 209.98,125.28 ; v2(115.18,159.38) 115.18,157.78 U33.14 ; U28.14 62.16,61.31 63.14,60.33 63.14,54.48 64.06,53.56 U30.16 ; Y3.4 Y3.1 ; C21.1 104.07,25.68 104.97,24.78 104.97,23.75
  Top w0.4: 146.27,66.19 146.27,67.26 v1(146.28,67.27) ; 131.21,91.9 v1(128.69,91.9) v1(113.69,91.9) 112.64,91.9 ; 131.21,91.9 v1(143.69,91.9) 157.17,91.9 ; 131.21,91.9 142.18,91.9 ; 157.17,91.9 146.2,91.9 ; 157.17,91.9 158.68,91.9 159.87,90.72 161.35,90.72 ; 146.19,91.89 146.19,90.83 ; 157.11,91.96 157.11,93.52 ; 142.26,67.27 v1(131.29,67.27) ; 142.26,67.27 142.19,67.34 142.19,68.89 ; 142.26,67.27 v1(146.28,67.27) ; v1(131.29,67.27) 131.27,67.25 131.27,66.19 ; v1(131.29,67.27) 127.18,67.27 ; v1(146.28,67.27) 157.25,67.27 ; v1(116.26,67.27) 116.27,67.26 116.27,66.19 ; v1(116.26,67.27) 112.68,67.27 112.18,67.77 112.18,68.89 ; v1(116.26,67.27) 127.18,67.27 ; 131.19,91.88 131.19,90.83 ; 157.25,67.27 158.79,67.27 159.87,66.19 161.27,66.19 ; 157.25,67.27 157.19,67.33 157.19,68.89 ; 127.19,68.89 127.19,67.28 127.18,67.27 ; 112.19,91.9 112.18,91.91 112.18,93.39 ; 112.19,91.9 112.64,91.9 ; 112.19,91.9 102.8,91.9 101.5,90.61 U19.20 95.12,90.61 94.04,91.69 88.44,91.69 87.35,90.61 U20.20 ; 112.64,91.9 112.6,91.9 ; 127.11,91.91 127.11,93.52 ; 116.19,91.89 116.19,90.83 ; 142.11,91.97 142.11,93.52 ; 174.55,58.8 174.55,58.8 v1(175.65,57.7) ; 69.7,74.8 v2(68.5,76) ; U5.30 U24.30 ; v1(97.19,73.64) 96.08,74.75 87,74.75 86.5,74.25 84.74,74.25 ; v2(121.1,157.8) 121.7,157.8 122.25,157.25 Y7.4 Y7.1 130.45,157.25 131.25,158.05 C23.2 ; 79.3,65.2 v2(80.5,64) ; U5.10 U24.10
  Top w0.6: 121.16,120.33 121.16,120.08 ; 135.5,105.99 136.4,105.09 ; 135.5,105.99 133.01,105.99 ; 135.5,105.99 135.56,106.05 135.56,109.1 137.87,109.1 138.94,110.17 ; 122.86,106.79 121.16,105.09 ; 122.86,106.79 124.71,106.79 125.4,106.1 127.36,106.1 127.36,104.97 126.24,103.85 126.24,102.55 ; 122.86,106.79 122.86,108.29 120.5,108.29 117.34,111.45 117.34,113.99 116.08,115.25 117.35,116.52 119.87,116.52 120.43,117.08 124.16,117.08 124.16,117.89 125.46,119.19 127.21,119.19 ; 135.21,108.89 132.95,108.89 130.17,111.67 130.17,119.19 ; 130.17,119.19 127.21,119.19 ; 130.17,119.19 135.26,119.19 136.4,120.33 136.4,117.79 138.94,115.25 ; 127.21,119.19 127.21,120.91 126.24,121.88 126.24,122.87 ; 165.55,102.66 165.55,100.12 ; 155.39,125.52 152.85,122.98 U8.27 147.87,123.01 ; 178.25,102.66 178.42,102.49 183.32,102.49 ; 152.71,102.52 152.85,102.66
  Top w0.8: J1.B15 35.26,109.22 ; J1.B19 35.15,99.06 ; 35.37,81.28 J1.B26 ; J1.B29 35.3,73.66 ; J1.B17 35.18,104.14 ; 15.47,99.06 14.87,99.06 ; 15.47,73.66 15.02,73.66 ; 15.09,81.28 15.47,81.28 ; 15.47,104.14 14.9,104.14 ; 15.47,109.22 14.98,109.22
  In1.Cu w0.8: v1(188.56,72.02) 187.68,71.14 184.52,71.14 v1(182.26,68.88) ; v1(188.56,74.33) 185.69,74.33 v1(180.24,68.88)
  In2.Cu w1.2: 156.02,40.25 v1(155.27,41) ; 156.02,40.25 165.25,40.25 ; 156.02,40.25 154.5,40.25 v1(154,39.75) ; 153.5,42.25 155,43.75 176,43.75 ; 153.5,42.25 v1(151.5,40.25) ; 153.5,42.25 150.75,42.25 v1(148.75,40.25) ; v1(167.25,39.75) 165.75,39.75 165.25,40.25 ; 165.25,40.25 v1(165.75,40.75) ; 176,43.75 v1(176.75,43) ; 176,43.75 v1(176.75,44.5)
  Bottom w0.4: v2(115.18,159.38) 116.57,159.38 118.15,157.8 v2(121.1,157.8)
  vias: v1(89.91,95.35) v1(91.25,94.25) v1(92.46,92.92) v1(116.17,33.33) v1(118.36,30.39) v1(119.03,33.26) v1(120.25,36.75) v1(122,34.25) v1(123,40.25) v1(123.5,37.5) v1(127,39) v1(155.07,132.75) v1(164.97,52.17) v1(166.71,50.6) v1(168.35,57.95) v1(187.75,130.75) v1(188.5,111.3) v1(190,112.8) v1(190.5,127) v1(193.3,116) v1(193.5,111.3) v1(194.8,117.5) v1(195,112.8) v2(116.75,141) v2(117.75,141) v2(118.75,141) v2(119.5,139) v2(120.5,139) v2(121.5,139)
+12V: length 481.7
  Top w0.4: J7.B9 17.49,124.46 18.77,125.74 27.98,125.74 29.26,124.46 J1.B9 37.81,124.46 39.07,125.72 48.32,125.72 49.58,124.46 J6.B9
  Top w0.8: 14.77,124.46 15.47,124.46 ; 35.05,124.46 J1.B9
  Bottom w0.4: 19.35,125.73 27.98,125.73 29.25,124.46 J1.B9 37.78,124.46 39.05,125.73 39.7,125.73 ; 19.35,125.73 18.75,125.73 ; 19.35,125.73 18.74,125.73 17.47,124.46 J7.B9 ; 39.7,125.73 39.1,125.73 ; 39.7,125.73 48.32,125.73 49.59,124.46 J6.B9
  Bottom w0.8: J6.B9 55.4,124.46 ; 15.44,124.41 14.77,124.41 ; 35.76,124.46 35.09,124.46
  Bottom w1.2: J2.10 J2.11 208.07,69.51 210.66,66.93 210.66,63.66 209.6,62.6 209.6,34.35 201.82,26.57 201.82,5.56 199.91,3.65 81.94,3.65 74.53,11.06 8.19,11.06 4.09,15.16 4.09,115.02 13.53,124.46 J7.B9
-5V: length 510.3
  Top w0.4: J7.B5 17.82,134.62 19.08,135.88 19.71,135.88 ; 19.71,135.88 19.11,135.88 ; 19.71,135.88 28.05,135.88 29.31,134.62 J1.B5 37.99,134.62 39.25,135.88 39.98,135.88 ; 39.98,135.88 39.3,135.88 ; 39.98,135.88 48.32,135.88 49.58,134.62 J6.B5
  Bottom w0.4: J6.B5 49.59,134.62 48.32,135.89 39.3,135.89 38.03,134.62 J1.B5 29.27,134.62 28.01,135.88 19.08,135.88 17.82,134.62 J7.B5
  Bottom w0.8: J6.B5 56.46,134.62
  Bottom w1.2: J7.B5 13.13,134.62 2.31,123.8 2.31,14.4 7.24,9.47 73.51,9.47 81.06,1.92 201.16,1.92 203.46,4.22 203.46,25.46 211.6,33.6 211.6,62.1 212.35,62.85 212.35,77.49 209.81,80.03 204.36,80.03 J2.20
-12V: length 525.8
  Top w0.4: J7.B7 17.66,129.54 18.94,130.82 27.95,130.82 29.23,129.54 J1.B7 37.83,129.54 39.1,130.81 48.26,130.81 49.53,129.54 J6.B7
  Top w0.8: 35.33,129.54 J1.B7 ; 15.05,129.54 15.47,129.54
  In1.Cu w1.2: 202.64,107.09 205.01,104.72 205.01,56.7 212.03,49.68 212.03,33.84 203.47,25.28 203.47,5.77 199.61,1.91 81.02,1.91 73.48,9.45 7.37,9.45 2.3,14.52 2.3,118.71 13.13,129.54 J7.B7
  Bottom w0.4: J7.B7 17.68,129.54 18.95,130.81 27.53,130.81 ; J6.B7 49.63,129.54 48.36,130.81 47.9,130.81 ; 27.53,130.81 27.99,130.81 ; 27.53,130.81 28.09,130.81 29.36,129.54 J1.B7 37.8,129.54 39.07,130.81 47.9,130.81 ; 47.9,130.81 48.31,130.81
